# Altium PCB betrusted_evt2b.PcbDoc (part 5 of 6)
Units mm, origin at the board's own origin, x right, y up, seen from the top; angles counter-clockwise.
Board outline 61.95 x 62.6 mm, 6 copper layers (L1, L2, L3, L6, L7, L8), stack 0.691 mm thick; 387 components, 291 nets, 1871 pads, 1866 vias.
Unrouted connection lines stored in the file: 41.
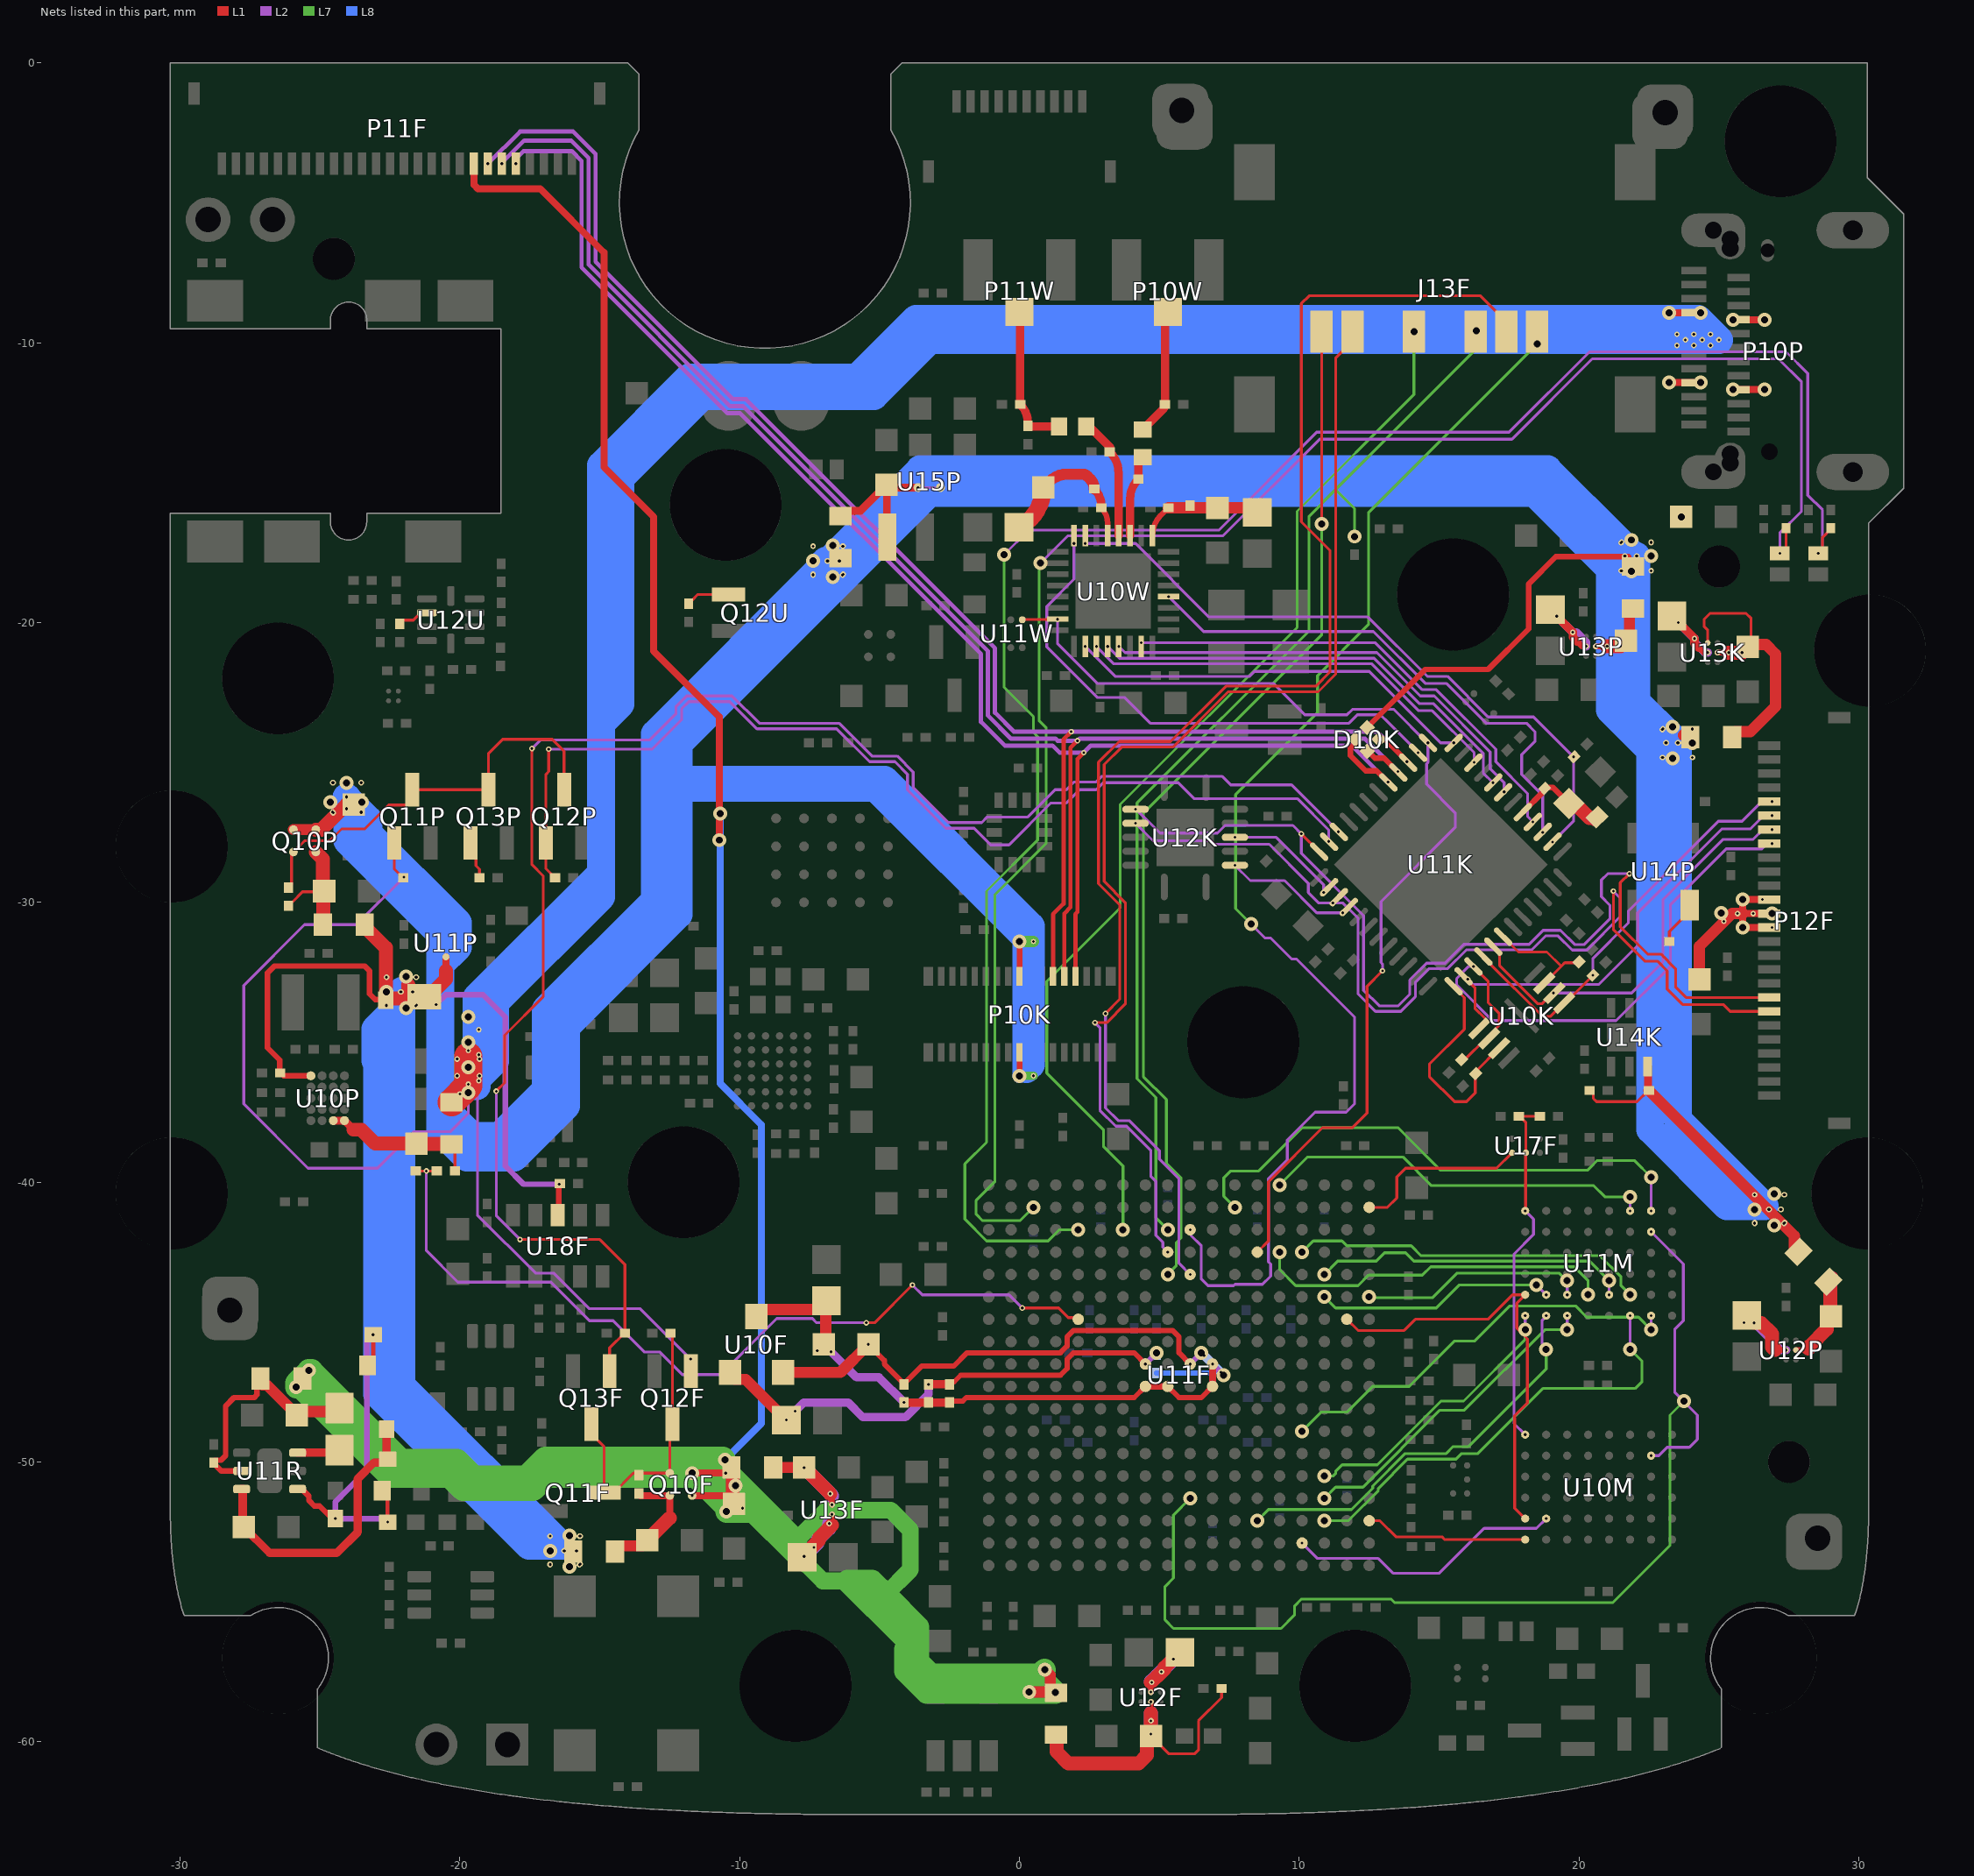
[diagram p9: the nets of this part, all layers, seen from the top]

## Via types
v1: diameter 0.2, hole 0.1, L1 to L2, tented both sides, 1071 vias
v2: diameter 0.5, hole 0.25, L2 to L7, tented both sides, 640 vias
v3: diameter 0.2, hole 0.1, L7 to L8, tented both sides, 120 vias
v4: diameter 0.5, hole 0.25, L1 to L8, 29 vias
v5: diameter 0.5, hole 0.2, L1 to L8, 4 vias
v6: diameter 0.4, hole 0.25, L1 to L8, 2 vias

## Nets (pads, with @x,y where several pads share a name; then routed paths per layer and width w, separated by ;. In a path a pad name is that pad's centre, name@x,y a point inside that pad or via, vN(x,y) a via of type N, cw(c..) or ccw(c..) an arc to the next point about the centre after c; other vN are vias at no path point) (continued)
SRAM_D22: U11F.P18 U11M.F6 | length 14
  L2 w0.1: v1(21.825,-41.025) v2(21.825,-40.525)
  L7 w0.1: v2(9.3,-40.1) 10.3,-39.1 13.7,-39.1 14.725,-40.125 20.525,-40.125 20.925,-40.525 v2(21.825,-40.525)
  other v1: 9.3,-40.1
SRAM_D23: U11F.M17 U11M.G6 | length 19.5
  L2 w0.1: v1(22.575,-41.025) v2(22.575,-39.825)
  L7 w0.1: v2(7.7,-40.9) 7.3,-40.5 7.3,-39.85 7.55,-39.6 8.55,-39.6 10.1,-38.05 13.525,-38.05 15.05,-39.575 20.3,-39.575 20.65,-39.225 21.975,-39.225 v2(22.575,-39.825)
  other v1: 7.7,-40.9
SRAM_D24: U11F.N3 U11M.B1 | length 14.6
  L2 w0.1: v2(18.825,-45.975) 18.825,-45.9 18.675,-45.75 18.675,-44.952 18.825,-44.802 v1(18.825,-44.775)
  L7 w0.1: v2(8.5,-52.1) 8.9,-51.7 11.866,-51.7 12.625,-50.941 12.625,-50.861 13.786,-49.7 15.25,-49.7 15.5,-49.45 16.05,-49.45 18.825,-46.675 v2(18.825,-45.975)
  other v1: 8.5,-52.1
SRAM_D25: U11F.T4 U11M.C1 | length 11.7
  L2 w0.1: v2(19.575,-45.275) v1(19.575,-44.775)
  L7 w0.1: v2(10.9,-51.3) 11.3,-50.9 12.275,-50.9 15.025,-48.15 15.9,-48.15 18.775,-45.275 v2(19.575,-45.275)
  other v1: 10.9,-51.3
SRAM_D26: U11F.V13 U11M.C2 | length 8.1
  L2 w0.1: v1(19.575,-44.025) v2(19.575,-43.525)
  L7 w0.1: v2(12.5,-44.1) 12.525,-44.125 14.775,-44.125 15.65,-43.25 19.284,-43.25 19.559,-43.525 v2(19.575,-43.525)
  other v1: 12.5,-44.1
SRAM_D27: U11F.P15 U11M.D2 | length 12.9
  L7 w0.1: v1(9.3,-42.5) 9.3,-43.125 9.875,-43.7 12.1,-43.7 12.475,-43.325 14.4,-43.325 14.7,-43.025 19.825,-43.025 20.325,-43.525 v1(20.325,-44.025)
  other v2: 20.325,-44.025 9.3,-42.5
SRAM_D28: U11F.T14 U11M.E2 | length 11.4
  L2 w0.1: v1(21.075,-44.025) v2(21.075,-43.525)
  L7 w0.1: v1(10.9,-43.3) 11.375,-42.825 12.75,-42.825 13.05,-42.525 13.8,-42.525 14.1,-42.825 20.375,-42.825 v2(21.075,-43.525)
  other v2: 10.9,-43.3
SRAM_D29: U11F.R15 U11M.F2 | length 12.9
  L7 w0.1: v1(10.1,-42.5) 10.5,-42.1 11.525,-42.1 11.7,-42.275 14,-42.275 14.35,-42.625 20.741,-42.625 21.5,-43.384 21.5,-43.7 v2(21.825,-44.025)
  other v1: 21.825,-44.025
  other v2: 10.1,-42.5
SRAM_D30: U11F.T3 U11M.F1 | length 16
  L2 w0.1: v2(21.825,-45.975) v1(21.825,-44.775)
  L7 w0.1: v2(10.9,-52.1) 11.749,-52.1 12.825,-51.024 12.825,-50.944 13.869,-49.9 15.6,-49.9 15.8,-49.7 16.381,-49.7 18.706,-47.375 22,-47.375 22.25,-47.125 22.25,-46.4 v2(21.825,-45.975)
  other v1: 10.9,-52.1
SRAM_D31: U11F.R7 U11M.G1 | length 15.2
  L2 w0.1: v2(22.575,-45.275) v1(22.575,-44.775)
  L7 w0.1: v2(10.1,-48.9) 10.78,-48.22 11.705,-48.22 12.625,-47.3 13.925,-47.3 15.55,-45.675 16.275,-45.675 17.525,-44.425 19.875,-44.425 20.275,-44.825 22.125,-44.825 v2(22.575,-45.275)
  other v1: 10.1,-48.9
SRAM_DM0: U10M.A1 U11F.V3 | length 5.9
  L1 w0.1: U11F.V3@12.5,-52.1 12.875,-52.1 13.45,-52.675 15.1,-52.675 15.2,-52.775 U10M.A1@18.075,-52.775
SRAM_DM1: U10M.B2 U11F.R2 | length 10
  L2 w0.1: v1(10.1,-52.9) 10.65,-53.45 12.825,-53.45 13.35,-53.975 15.006,-53.975 16.606,-52.375 18.475,-52.375 v1(18.825,-52.025)
SRAM_DM2: U11F.T5 U11M.A1 | length 10.1
  L2 w0.1: v2(18.075,-45.275) v1(18.075,-44.775)
  L7 w0.1: v2(10.9,-50.5) 11.217,-50.5 11.3,-50.417 11.3,-50.334 11.534,-50.1 12.791,-50.1 15.066,-47.825 15.875,-47.825 18.075,-45.625 v2(18.075,-45.275)
  other v1: 10.9,-50.5
SRAM_DM3: U11F.T13 U11M.B2 | length 8.6
  L2 w0.1: v2(18.471,-43.671) v1(18.825,-44.025)
  L7 w0.1: v2(10.9,-44.1) 11.3,-44.5 14.9,-44.5 15.729,-43.671 v2(18.471,-43.671)
  other v1: 10.9,-44.1
SRAM_OE_N: U10M.A2 U11F.U12 U11M.A2 | length 15.7
  L1 w0.1: U11F.U12@11.7,-44.9 12.1,-45.3 13.75,-45.3 14.15,-44.9 16.75,-44.9 17.625,-44.025 U11M.A2@18.075,-44.025 17.775,-44.325 17.775,-45.225 18.15,-45.6 18.15,-47.9 17.7,-48.35 17.7,-51.65 U10M.A2@18.075,-52.025
SRAM_WE_N: U10M.G5 U11F.K4 U11M.G5 | length 40
  L2 w0.1: v1(22.575,-49.775) 22.85,-49.775 23.15,-49.475 23.941,-49.475 24.225,-49.191 24.225,-48.325 23.425,-47.525 23.425,-45.25 23.725,-44.95 23.725,-42.925 v1(22.575,-41.775)
  L7 w0.1: v2(6.1,-51.3) 5.5,-51.9 5.5,-54.15 5.2,-54.45 5.2,-55.642 5.508,-55.95 9.35,-55.95 9.829,-55.471 9.829,-55.154 10.083,-54.9 13.275,-54.9 13.4,-55.025 21.213,-55.025 23.25,-52.988 23.25,-48.325 v2(23.75,-47.825)
  other v1: 6.1,-51.3
SRAM_ZZ_N: U11F.V17 U17F.A1 | length 6.3
  L1 w0.1: U11F.V17@12.5,-40.9 13.15,-40.9 13.487,-40.563 13.487,-39.813 13.8,-39.5 17.05,-39.5 U17F.A1@17.6,-38.95
SRAM_ZZ_N_1.8: R10M.2 R12M.1 U10M.A6 U11M.A6 U17F.B1 | length 12.8
  L1 w0.1: R10M.2@17.85,-37.65 R10M.2@17.875,-37.65 ; v1(18.075,-41.025) 18.087,-41.013 18.087,-38.963 U17F.B1@18.1,-38.95 18.1,-37.875 R10M.2@17.875,-37.65 ; R12M.1@18.6,-37.65 R10M.2@17.875,-37.65
  L2 w0.1: v1(18.075,-49.025) 17.675,-48.625 17.675,-42.571 18.375,-41.871 18.375,-41.325 v1(18.075,-41.025)
SW_0.95V: L12F.1 U12F.B2 | length 3.5
  L1 w0.2: v1(4.7,-58.225) v1@4.7,-57.875
  L1 w0.5: v1@4.7,-57.875 4.915,-57.66 4.925,-57.66 5.185,-57.4 5.185,-57.345 5.73,-56.8 L12F.1@5.735,-56.8
  L2 w0.2: v1(4.7,-58.225) v1@4.7,-57.85
  L2 w0.5: v1@4.7,-57.85 5.625,-56.925
  other v1: 4.725,-57.875 5.075,-57.5 5.5,-57.05
SW_1.2V: L10K.1 U13K.B2 | length 3.5
  L1 w0.2: 24.279,-20.902 24.453,-21.075 v1(24.6,-21.075)
  L1 w0.3: L10K.1@23.325,-19.765 23.325,-19.77 24.125,-20.57 24.125,-20.747 24.279,-20.902
  L2 w0.3: v1(23.55,-20) v1(24.125,-20.575) 24.125,-20.7 24.5,-21.075 v1(24.6,-21.075)
SW_1.8V: L11P.1 U12P.B2 | length 3.7
  L1 w0.2: 27,-46 v1(27.4,-46)
  L1 w0.5: v1(26.26,-45.03) 26.505,-45.03 26.9,-45.425 26.9,-45.9 27,-46
  L2 w0.3: v1(25.9,-45.025) 25.905,-45.03 v1(26.26,-45.03) 27.23,-46 v1(27.4,-46)
SW_1.8V_F: L13F.1 U13F.B2 | length 3.9
  L1 w0.2: -6.7,-52.25 v1(-6.7,-51.875)
  L1 w0.5: L13F.1@-7.77,-53.4 -7.765,-53.4 -7.165,-52.8 -7.165,-52.715 -6.7,-52.25
  L2 w0.2: v1(-6.8,-52.2) -6.7,-52.1 v1(-6.7,-51.875)
  L2 w0.5: v1(-7.7,-53.375) -7.225,-52.9 -7.225,-52.8 -6.8,-52.375 v1(-6.8,-52.2)
  other v1: -7.35,-53.05
SW_3.3V: L12P.1 U13P.B2 | length 3.5
  L1 w0.2: 19.929,-20.677 20.103,-20.85 v1(20.25,-20.85)
  L1 w0.3: L12P.1@18.975,-19.54 18.975,-19.545 19.775,-20.345 v1(19.775,-20.35) 19.775,-20.522 19.929,-20.677
  L2 w0.3: v1(19.2,-19.775) v1(19.775,-20.35) 19.9,-20.35 20.25,-20.7 v1(20.25,-20.85)
SYS_OFF: Q10P.1 Q11P.3 Q12P.3 Q13P.3 R24P.1 | length 15
  L1 w0.1: R24P.1@-26.125,-29.475 -26.015,-29.365 -26.015,-28.322 -25.95,-28.257 Q10P.1@-25.95,-28.2 -25.55,-27.8 -24.65,-27.8 -24.225,-27.375 -23.4,-27.375 -22.55,-26.525 -21.9,-26.525 -21.7,-26.325 Q11P.3@-21.7,-25.975 Q13P.3@-18.975,-25.975 -18.975,-24.675 -18.475,-24.175 -16.7,-24.175 -16.275,-24.6 Q12P.3@-16.275,-25.8
SYS_ON: Q12P.1 R26P.2 U11K.47 | length 38.1
  L1 w0.1: v1(-16.825,-24.525) -16.825,-25.325 -16.925,-25.425 Q12P.1@-16.925,-27.875 -16.925,-28.8 -16.735,-28.99 -16.735,-29.015 -16.625,-29.125 R26P.2@-16.6,-29.125
  L2 w0.1: v1(-16.825,-24.525) -13.125,-24.525 -12.075,-23.475 -12.075,-23.083 -11.817,-22.825 -10.358,-22.825 -9.383,-23.8 -6.533,-23.8 -5.358,-24.975 -4.45,-24.975 -4,-25.425 -4,-25.983 -2.633,-27.35 -1.625,-27.35 -1.025,-27.95 -0.375,-27.95 1.125,-26.45 1.675,-26.45 2.15,-25.975 2.743,-25.975 2.993,-25.725 5.675,-25.725 6.25,-26.3 9.942,-26.3 11.05,-27.408 v1(11.05,-27.825)
T_OFF: Q10F.1 Q11F.3 Q12F.3 Q13F.3 R10F.1 R29F.2 | length 10.3
  L1 w0.1: Q13F.3@-15.3,-48.65 -15.3,-49 -14.85,-49.45 Q11F.3@-14.85,-51.1 -14.5,-51.1 -13.8,-50.4 Q10F.1@-12.5,-50.4 -12.5,-48.75 Q12F.3@-12.4,-48.65 -12.4,-45.475 R29F.2@-12.475,-45.4
T_TO_U_ON: Q13P.1 R29P.1 | length 1.4
  L1 w0.1: Q13P.1@-19.625,-27.875 -19.425,-28.075 -19.425,-28.69 -19.3,-28.815 R29P.1@-19.3,-29.125
TF_CLK: J13F.5 U11F.G16 | length 38.7
  L7 w0.1: v2(3.7,-41.7) 3.7,-39.425 3,-38.725 3,-38.125 0.975,-36.1 0.975,-32.825 3.6,-30.2 3.6,-26.5 9.925,-20.175 9.925,-16.025 14.1,-11.85 v2(14.1,-9.6)
  other v1: 3.7,-41.7 14.1,-9.6
TF_CMD: J13F.3 R33F.2 U11F.J16 | length 39.6
  L7 w0.1: v2(5.3,-41.7) 4.875,-41.275 4.875,-36.975 4.2,-36.3 4.2,-26.45 10.35,-20.3 10.35,-16.2 11.299,-15.251 ; v2(11.975,-16.925) 11.975,-15.928 11.299,-15.251 ; v2(16.325,-9.575) 16.325,-10.225 11.299,-15.251
  other v1: 5.3,-41.7 11.975,-16.925 16.325,-9.575
TF_D0: J13F.7 U11F.J15 | length 41.8
  L1 w0.1: v1(2.7,-34.3) 3.119,-34.3 3.785,-33.634 3.785,-30.01 3.025,-29.25 3.025,-25.075 3.65,-24.45 5.483,-24.45 7.458,-22.475 10.675,-22.475 11.3,-21.85 11.3,-10.55 11.9,-9.95 J13F.7@11.9,-9.6
  L2 w0.1: v1(2.7,-34.3) 2.875,-34.475 2.875,-37.431 3.444,-38 3.825,-38 4.7,-38.875 4.7,-39.8 4.875,-39.975 4.875,-41.9 5.128,-42.153 5.128,-42.319 5.3,-42.491 v1(5.3,-42.5)
TF_D1: J13F.8 U11F.J14 | length 37.1
  L1 w0.1: v2(10.8,-16.475) J13F.8@10.8,-9.6
  L7 w0.1: v2(5.3,-43.3) 5.6,-43 5.6,-42.175 5.775,-42 5.775,-39.85 5.25,-39.325 5.25,-37.05 4.425,-36.225 4.425,-26.825 10.8,-20.45 v2(10.8,-16.475)
  other v1: 5.3,-43.3 10.8,-16.475
TF_D2: J13F.1 U11F.K16 | length 46.4
  L2 w0.1: v1(6.1,-41.7) 6.119,-41.719 6.119,-41.894 6.5,-42.275 6.5,-43.4 6.5,-43.466 6.734,-43.7 7.655,-43.7 7.705,-43.65 8.686,-43.65 8.975,-43.361 8.975,-42.925 8.9,-42.85 8.9,-39.875 9.575,-39.2 9.575,-38.492 10.567,-37.5 11.679,-37.5 11.975,-37.204 11.975,-34.1 11.1,-33.225 9.9,-32.025 9.725,-32.025 8.975,-31.275 8.775,-31.275 v2(8.275,-30.775)
  L7 w0.1: v2(8.275,-30.775) 7.725,-30.225 7.725,-26.15 10.65,-23.225 10.65,-21.9 12.475,-20.075 12.475,-16.075 v2(18.5,-10.05)
  other v1: 18.5,-10.05
TF_D3: J13F.2 U11F.K14 | length 51.7
  L1 w0.1: v1(3.075,-33.975) 3.585,-33.465 3.585,-30.093 2.825,-29.333 2.825,-24.992 3.567,-24.25 5.4,-24.25 7.375,-22.275 10.592,-22.275 11.1,-21.767 11.1,-17.425 10.075,-16.4 10.075,-8.6 10.35,-8.325 16.475,-8.325 17.4,-9.25 J13F.2@17.4,-9.6
  L2 w0.1: v1(3.075,-33.975) 3.075,-37.349 3.526,-37.8 3.925,-37.8 5,-38.875 5,-39.175 5.7,-39.875 5.7,-42.9 v1(6.1,-43.3)
U_TO_T_ON: Q13F.1 R28F.2 U11K.46 | length 60.4
  L1 w0.1: v1(-18.7,-36.75) -18.4,-36.45 -18.4,-34.75 -17.025,-33.375 -17.025,-29.05 -17.425,-28.65 v1(-17.425,-24.5) ; v1(-17.85,-42.05) -15,-42.05 -14.1,-42.95 R28F.2@-14.1,-45.4 -14.125,-45.4 -14.65,-45.925 Q13F.1@-14.65,-46.75
  L2 w0.1: v1(-18.7,-36.75) -18.7,-41.2 v1(-17.85,-42.05) ; v1(-17.425,-24.5) -17.125,-24.2 -13.225,-24.2 -12.275,-23.25 -12.275,-23 -12.15,-22.875 -11.9,-22.625 -10.275,-22.625 -9.3,-23.6 -6.45,-23.6 -5.275,-24.775 -4.367,-24.775 -3.8,-25.342 -3.8,-25.9 -2.55,-27.15 -1.35,-27.15 -1.15,-26.95 0.3,-26.95 1.275,-25.975 1.675,-25.975 1.95,-25.7 2.735,-25.7 2.935,-25.5 7.25,-25.5 7.55,-25.8 9.725,-25.8 v1(11.4,-27.475)
UP5K_CSN: P12F.5 R11K.2 U10K.1 U11K.16 | length 14.8
  L1 w0.1: U11K.16@16.733,-32.09 16.733,-32.116 18.692,-34.075 18.986,-34.075 U10K.1@19.467,-33.594 19.506,-33.594 v1(20.495,-32.605)
  L2 w0.1: v1(20.495,-32.605) 20.495,-32.005 21.763,-30.737 21.763,-30.312 24.975,-27.1 25.825,-27.1 26.525,-26.4 v1(26.9,-26.4)
UP5K_DIO2: R10K.1 U10K.3 U11K.18 | length 4.1
  L1 w0.1: U11K.18@17.287,-31.23 17.832,-31.775 18.85,-31.775 19.352,-32.277 19.369,-32.277 ; U10K.3@18.76,-32.887 19.369,-32.277 ; R10K.1@19.995,-32.13 19.967,-32.158 19.488,-32.158 19.369,-32.277
UP5K_DIO3: R20K.1 U10K.7 U11K.13 | length 8
  L1 w0.1: U11K.13@15.519,-32.997 15.519,-33.024 15.9,-33.405 15.9,-34.533 14.65,-35.783 14.65,-36.225 15.55,-37.125 15.975,-37.125 16.287,-36.813 16.287,-36.138 R20K.1@16.305,-36.12 16.305,-36.049 U10K.7@17.14,-35.213
UP5K_KEYCOL0: P12F.19 U11K.48 U12K.9 | length 36.5
  L1 w0.1: v1(10.072,-27.55) U11K.48@10.711,-28.189 ; v1(21.8,-28.975) 21.475,-29.3 21.475,-30.875 22.45,-31.85 22.925,-31.85 23.45,-32.375 23.45,-33.025 23.825,-33.4 P12F.19@26.9,-33.4
  L2 w0.1: v1(4.15,-26.675) 4.175,-26.675 5.025,-27.525 7.075,-27.525 7.35,-27.25 9.772,-27.25 v1(10.072,-27.55) 10.072,-28.247 12.3,-30.475 12.3,-33.144 12.856,-33.7 13.542,-33.7 13.95,-33.292 13.95,-32.775 14.55,-32.175 15.21,-32.175 15.885,-31.5 18.219,-31.5 18.719,-31 19.334,-31 19.839,-31.505 20.187,-31.505 21.1,-30.592 21.1,-30.1 20.8,-29.8 20.8,-29.2 21.025,-28.975 v1(21.8,-28.975)
UP5K_KEYCOL1: P12F.20 U11K.3 U12K.10 | length 33.7
  L1 w0.1: v1(21.225,-29.6) 21.225,-30.975 22.35,-32.1 22.8,-32.1 23.15,-32.45 23.15,-33.1 23.7,-33.65 25.15,-33.65 25.4,-33.9 P12F.20@26.9,-33.9
  L2 w0.1: v1(4.15,-27.175) 4.775,-27.8 6.85,-27.8 6.975,-27.925 8.925,-27.925 10.325,-29.325 10.325,-29.65 10.7,-30.025 v1(11.2,-30.025) 11.567,-30.025 12.1,-30.558 12.1,-33.275 12.725,-33.9 13.625,-33.9 14.15,-33.375 14.15,-32.858 14.633,-32.375 15.293,-32.375 15.968,-31.7 18.302,-31.7 18.802,-31.2 19.251,-31.2 19.756,-31.705 20.278,-31.705 21.475,-30.508 21.475,-29.85 v1(21.225,-29.6)
UP5K_KEYROW0: U11K.4 U12K.2 | length 4.6
  L2 w0.1: v1(7.7,-28.675) 8.25,-29.225 9.475,-29.225 10.625,-30.375 v1(11.55,-30.375)
UP5K_KEYROW1: U11K.2 U12K.4 | length 4.2
  L2 w0.1: v1(7.7,-27.675) 9.175,-27.675 10.875,-29.375 v1(10.875,-29.65)
UP5K_MISO: P12F.7 U10K.2 U11K.17 | length 15
  L1 w0.1: U11K.17@16.933,-31.583 17.163,-31.813 17.163,-32.263 18.525,-33.625 18.675,-33.625 19.06,-33.24 v1(19.086,-33.24) U10K.2@19.113,-33.24
  L2 w0.1: v1(19.086,-33.24) 21.885,-33.24 23,-32.125 23,-29.9 25.15,-27.75 26.225,-27.75 26.575,-27.4 v1(26.9,-27.4)
UP5K_MOSI: P12F.6 U10K.5 U11K.14 | length 16.2
  L1 w0.1: v1(16.025,-32.75) 16.025,-32.796 16.279,-33.05 16.279,-33.787 16.663,-34.17 16.663,-34.276 U10K.5@16.433,-34.506
  L2 w0.1: v1(16.025,-32.75) 16.208,-32.933 20.707,-32.933 22.1,-31.541 22.1,-30.375 25.1,-27.375 26.125,-27.375 26.6,-26.9 v1(26.9,-26.9)
UP5K_PLL: C15K.1 C16K.1 R12K.1 U11K.29 | length 3.5
  L1 w0.2: U11K.29@17.994,-26.775 18.742,-26.027 18.742,-25.958 C16K.1@18.77,-25.93 18.798,-25.902 19.07,-25.902 C15K.1@19.634,-26.466
  L1 w0.5: C15K.1@19.634,-26.466 19.846,-26.466 20.37,-26.989 20.54,-26.989 20.576,-27.024 R12K.1@20.611,-26.989
UP5K_RES_CT: C27P.1 U14P.5 | length 1.6
  L1 w0.1: C27P.1@23.225,-31.4 23.225,-31.05 23.95,-30.325 U14P.5@23.95,-30.1
UP5K_RGB0: D10K.3 P10K.26 P11F.20 U11K.39 | length 56.7
  L1 w0.15: P10K.26@1.2,-32.645 1.2,-30.425 1.575,-30.05 1.575,-28.838 1.575,-24.175 v1(1.85,-23.9)
  L1 w0.2: D10K.3@12.849,-24.175 13.061,-24.175 U11K.39@13.893,-25.007
  L2 w0.15: v1(-19,-3.6) -17.85,-2.45 -15.95,-2.45 -15.15,-3.25 -15.15,-7.101 -10.234,-12.018 -9.775,-12.018 -0.877,-20.916 -0.877,-23.224 -0.201,-23.9 v1(1.85,-23.9) 12.775,-23.9 v1(13.85,-24.975)
UP5K_RGB1: D10K.2 P10K.27 P11F.21 U11K.40 | length 55.4
  L1 w0.15: P10K.27@1.6,-32.645 1.6,-30.4 1.825,-30.175 1.825,-28.734 1.825,-24.475 v1(2.075,-24.225)
  L1 w0.2: D10K.2@12.425,-24.599 12.449,-24.599 12.7,-24.85 13.029,-24.85 U11K.40@13.539,-25.361
  L2 w0.15: v1(-18.5,-3.6) -18.5,-3.571 -17.704,-2.775 -16.021,-2.775 -15.4,-3.396 -15.4,-7.205 -10.337,-12.268 -9.879,-12.268 -1.127,-21.02 -1.127,-23.328 -0.305,-24.15 1.286,-24.15 1.361,-24.225 v1(2.075,-24.225) 2.15,-24.15 12.35,-24.15 v1(13.525,-25.325)
UP5K_RGB2: D10K.1 P10K.28 P11F.22 U11K.41 | length 55.2
  L1 w0.15: P10K.28@2,-32.645 2,-30.425 2.075,-30.35 2.075,-29.697 2.075,-28.63 2.075,-24.875 v1(2.3,-24.65)
  L1 w0.2: D10K.1@12.001,-24.175 12.001,-24.316 11.825,-24.492 11.825,-24.75 12.375,-25.3 12.772,-25.3 U11K.41@13.186,-25.714
  L2 w0.15: v1(-18,-3.6) -18,-3.425 -17.725,-3.15 -16,-3.15 -15.65,-3.5 -15.65,-7.308 -10.441,-12.518 -9.982,-12.518 -1.377,-21.123 -1.377,-23.552 -0.529,-24.4 1.182,-24.4 1.432,-24.65 v1(2.3,-24.65) 2.55,-24.4 11.875,-24.4 v1(13.175,-25.7)
UP5K_SCK: P12F.8 R21K.2 U10K.6 U11K.15 | length 21.1
  L1 w0.1: R21K.2@15.805,-35.62 15.92,-35.62 16.681,-34.86 U10K.6@16.787,-34.86 16.787,-34.754 17.15,-34.39 17.15,-33.975 16.75,-33.575 16.75,-32.814 v1(16.226,-32.29)
  L2 w0.1: v1(16.226,-32.29) 16.06,-32.29 15.623,-32.727 15.623,-32.948 16.9,-34.225 21.325,-34.225 23.269,-32.281 23.269,-30.081 25.262,-28.088 26.538,-28.088 26.706,-27.919 26.881,-27.919 v1(26.9,-27.9)
USBC_CC1: D10P.1 R11P.2 U11F.C17 | length 64.9
  L1 w0.1: v1(27.175,-17.525) D10P.1@27.375,-17.325 ; D10P.1@27.4,-17.425 R11P.2@27.4,-16.625
  L2 w0.1: v2(0.75,-17.875) 1.725,-16.9 7.275,-16.9 10.725,-13.45 17.6,-13.45 20.475,-10.575 27.125,-10.575 27.95,-11.4 27.95,-16.025 27.175,-16.8 27.175,-17.5 v1@27.2,-17.525
  L7 w0.1: v1(0.5,-40.9) 0.025,-41.375 -1.325,-41.375 -1.55,-41.15 -1.55,-40.65 -0.875,-39.975 -0.875,-29.725 0.95,-27.9 0.95,-23.75 0.7,-23.5 0.7,-17.925 v2(0.75,-17.875)
  other v2: 0.5,-40.9
USBC_CC2: D11P.1 R12P.1 U11F.E16 | length 69.7
  L1 w0.1: D11P.1@28.7,-17.625 28.7,-16.95 29,-16.65 R12P.1@29,-16.625
  L2 w0.1: v2(-0.55,-17.575) 0.325,-16.7 7.121,-16.7 10.621,-13.2 17.496,-13.2 20.371,-10.325 27.4,-10.325 28.175,-11.1 28.175,-15.45 28.7,-15.975 28.7,-17.375 v1(28.55,-17.525)
  L7 w0.1: v2(-0.55,-17.575) -0.55,-22.316 0.5,-23.366 0.5,-23.925 0.65,-24.075 0.65,-27.776 -1.175,-29.601 -1.175,-38.575 -1.95,-39.35 -1.95,-41.325 -1.175,-42.1 1.025,-42.1 1.425,-41.7 v1(2.1,-41.7)
  other v2: 2.1,-41.7
VAVA: C14R.1 R11R.2 R16R.2 U11R.3 | length 10.5
  L1 w0.3: U11R.3@-27.8,-50.97 -27.762,-50.97 -27.762,-52.288 C14R.1@-27.725,-52.325 -26.8,-53.25 -24.4,-53.25 -23.65,-52.5 -23.65,-50.6 -23.075,-50.025 -22.7,-50.025 R11R.2@-22.575,-49.9 -22.625,-49.85 R16R.2@-22.625,-48.825
VAVA_FBK: C11R.1 C16R.1 D10R.1 D11R.1 R20R.2 U11R.4 | length 13.2
  L1 w0.15: D11R.1@-23.3,-46.55 -23.1,-46.35 C16R.1@-23.1,-45.45 ; D10R.1@-22.775,-51.025 -22.585,-51.215 C11R.1@-22.585,-52.148
  L1 w0.2: U11R.4@-25.8,-50.97 -25.65,-50.97 -25.4,-51.22 -25.4,-51.375 -25.2,-51.575 -25.01,-51.575 -24.625,-51.96 R20R.2@-24.625,-52
  L1 w0.3: R20R.2@-24.46,-52.022 -24.458,-52.025 v1(-24.453,-52.025) R20R.2@-24.45,-52.025 R20R.2@-24.447,-52.025 ; C16R.1@-23.11,-45.448 -23.108,-45.45 v1(-23.103,-45.45) C16R.1@-23.1,-45.45 ; C11R.1@-22.585,-52.148 -22.583,-52.15 v1(-22.578,-52.15) C11R.1@-22.575,-52.15 C11R.1@-22.572,-52.15
  L2 w0.2: v1(-23.103,-45.45) -23.325,-45.672 -23.325,-50.3 -24.453,-51.428 v1(-24.453,-52.025) -22.708,-52.025 v1@-22.585,-52.148
VAVA_SW: L10R.2 U11R.6 | length 1.5
  L1 w0.3: U11R.6@-25.8,-49.67 -24.395,-49.67 L10R.2@-24.3,-49.575
VBAT: C11P.1 C16P.1 C31P.1 C36F.1 C66F.1 J10F.1 J13P.1 Q10F.4 Q10P.4 R10F.2 R10P.1 R24P.2 U10P.E4 U11P.C2 U18F.8 | length 82.5
  L1 w0.1: R24P.2@-26.125,-30.125 -26.125,-30.1 -26.015,-29.99 -25.99,-29.99 -25.625,-29.625 C31P.1@-24.875,-29.625
  L1 w0.2: U10P.E4@-25.325,-36.2 -26.3,-36.2 -26.4,-36.1 C16P.1@-26.425,-36.1 -26.435,-36.09 -26.435,-35.64 -26.875,-35.2 -26.875,-32.525 -26.625,-32.275 -23.4,-32.275 -23.225,-32.45 -23.225,-33.275 -23.025,-33.475 -22.675,-33.475 R10P.1@-22.65,-33.5 ; U18F.8@-16.5,-41.175 -16.462,-41.138 -16.462,-40.087 v1(-16.45,-40.075) C66F.1@-16.425,-40.05
  L1 w0.25: -20.5,-32.45 U11P.C2@-20.5,-31.95 ; R10F.2@-13.6,-51.125 -13.6,-51.15 -13.55,-51.2 Q10F.4@-12.5,-51.2 -12.5,-52
  L1 w0.4: R10P.1@-22.65,-33.5 R10P.1@-22.587,-33.437 ; C11P.1@-21.337,-33.437 C11P.1@-21.275,-33.375 ; J10F.1@-14.45,-53.2 -14.45,-53.125 -14.325,-53 -13.5,-53 C36F.1@-13.3,-52.8
  L1 w0.5: Q10P.4@-25.15,-28.2 -24.9,-28.45 -24.9,-29.55 C31P.1@-24.85,-29.6 -24.875,-29.625 -24.875,-30.775 J13P.1@-24.9,-30.8 ; J13P.1@-23.4,-30.8 -23.4,-30.875 -22.65,-31.625 R10P.1@-22.65,-33.5 ; R10P.1@-22.587,-33.437 C11P.1@-21.337,-33.437 ; C11P.1@-21.85,-33.2 C11P.1@-21.85,-32.95 ; C11P.1@-21.275,-33.375 -21.125,-33.375 -20.5,-32.75 -20.5,-32.45 ; C36F.1@-13.3,-52.8 -12.5,-52
  L2 w0.2: v1(-20.85,-33.65) -20.5,-33.3 -19.175,-33.3 -18.375,-34.1 -18.375,-39.425 -17.725,-40.075 v1(-16.45,-40.075)
  L8 w1: v3@-22.075,-33.175 v3(-22.1,-33.2) -22.1,-33.6 ; -22.1,-33.6 -22.1,-47.25 -16.35,-53 -17.525,-53 -22.95,-47.575 -22.95,-35.725 -23.025,-35.65 -23.025,-34.525 -22.1,-33.6
  other v1: -16.775,-53.675 -15.725,-53.675 -16.275,-53.175 -15.85,-53.175 -16.775,-52.65 -15.725,-52.65 -22.625,-33.7 -21.575,-33.7 -22.125,-33.2 -21.7,-33.2 -22.625,-32.675 -21.575,-32.675
  other v2: -16.075,-53.75 -16.775,-53.175 -16.075,-52.625 -21.925,-33.775 -22.625,-33.2 -21.925,-32.65
  other v3: -16.775,-53.65 -15.7,-53.65 -16.25,-53.175 -15.825,-53.175 -16.775,-52.65 -15.7,-52.65 -22.625,-33.675 -21.55,-33.675 -21.675,-33.2 -22.625,-32.675 -21.55,-32.675
VBUS: C10P.1 C14P.1 C63F.1 J10P.1 P10P.A4 P10P.A9 P10P.B4 P10P.B9 P12F.12 P12F.13 P12F.14 Q11P.1 Q12F.1 R25P.1 R27P.2 U10P.A1 U10P.A2 | length 183.9